# Allegro board buddy_lay_rev1.brd (continued)
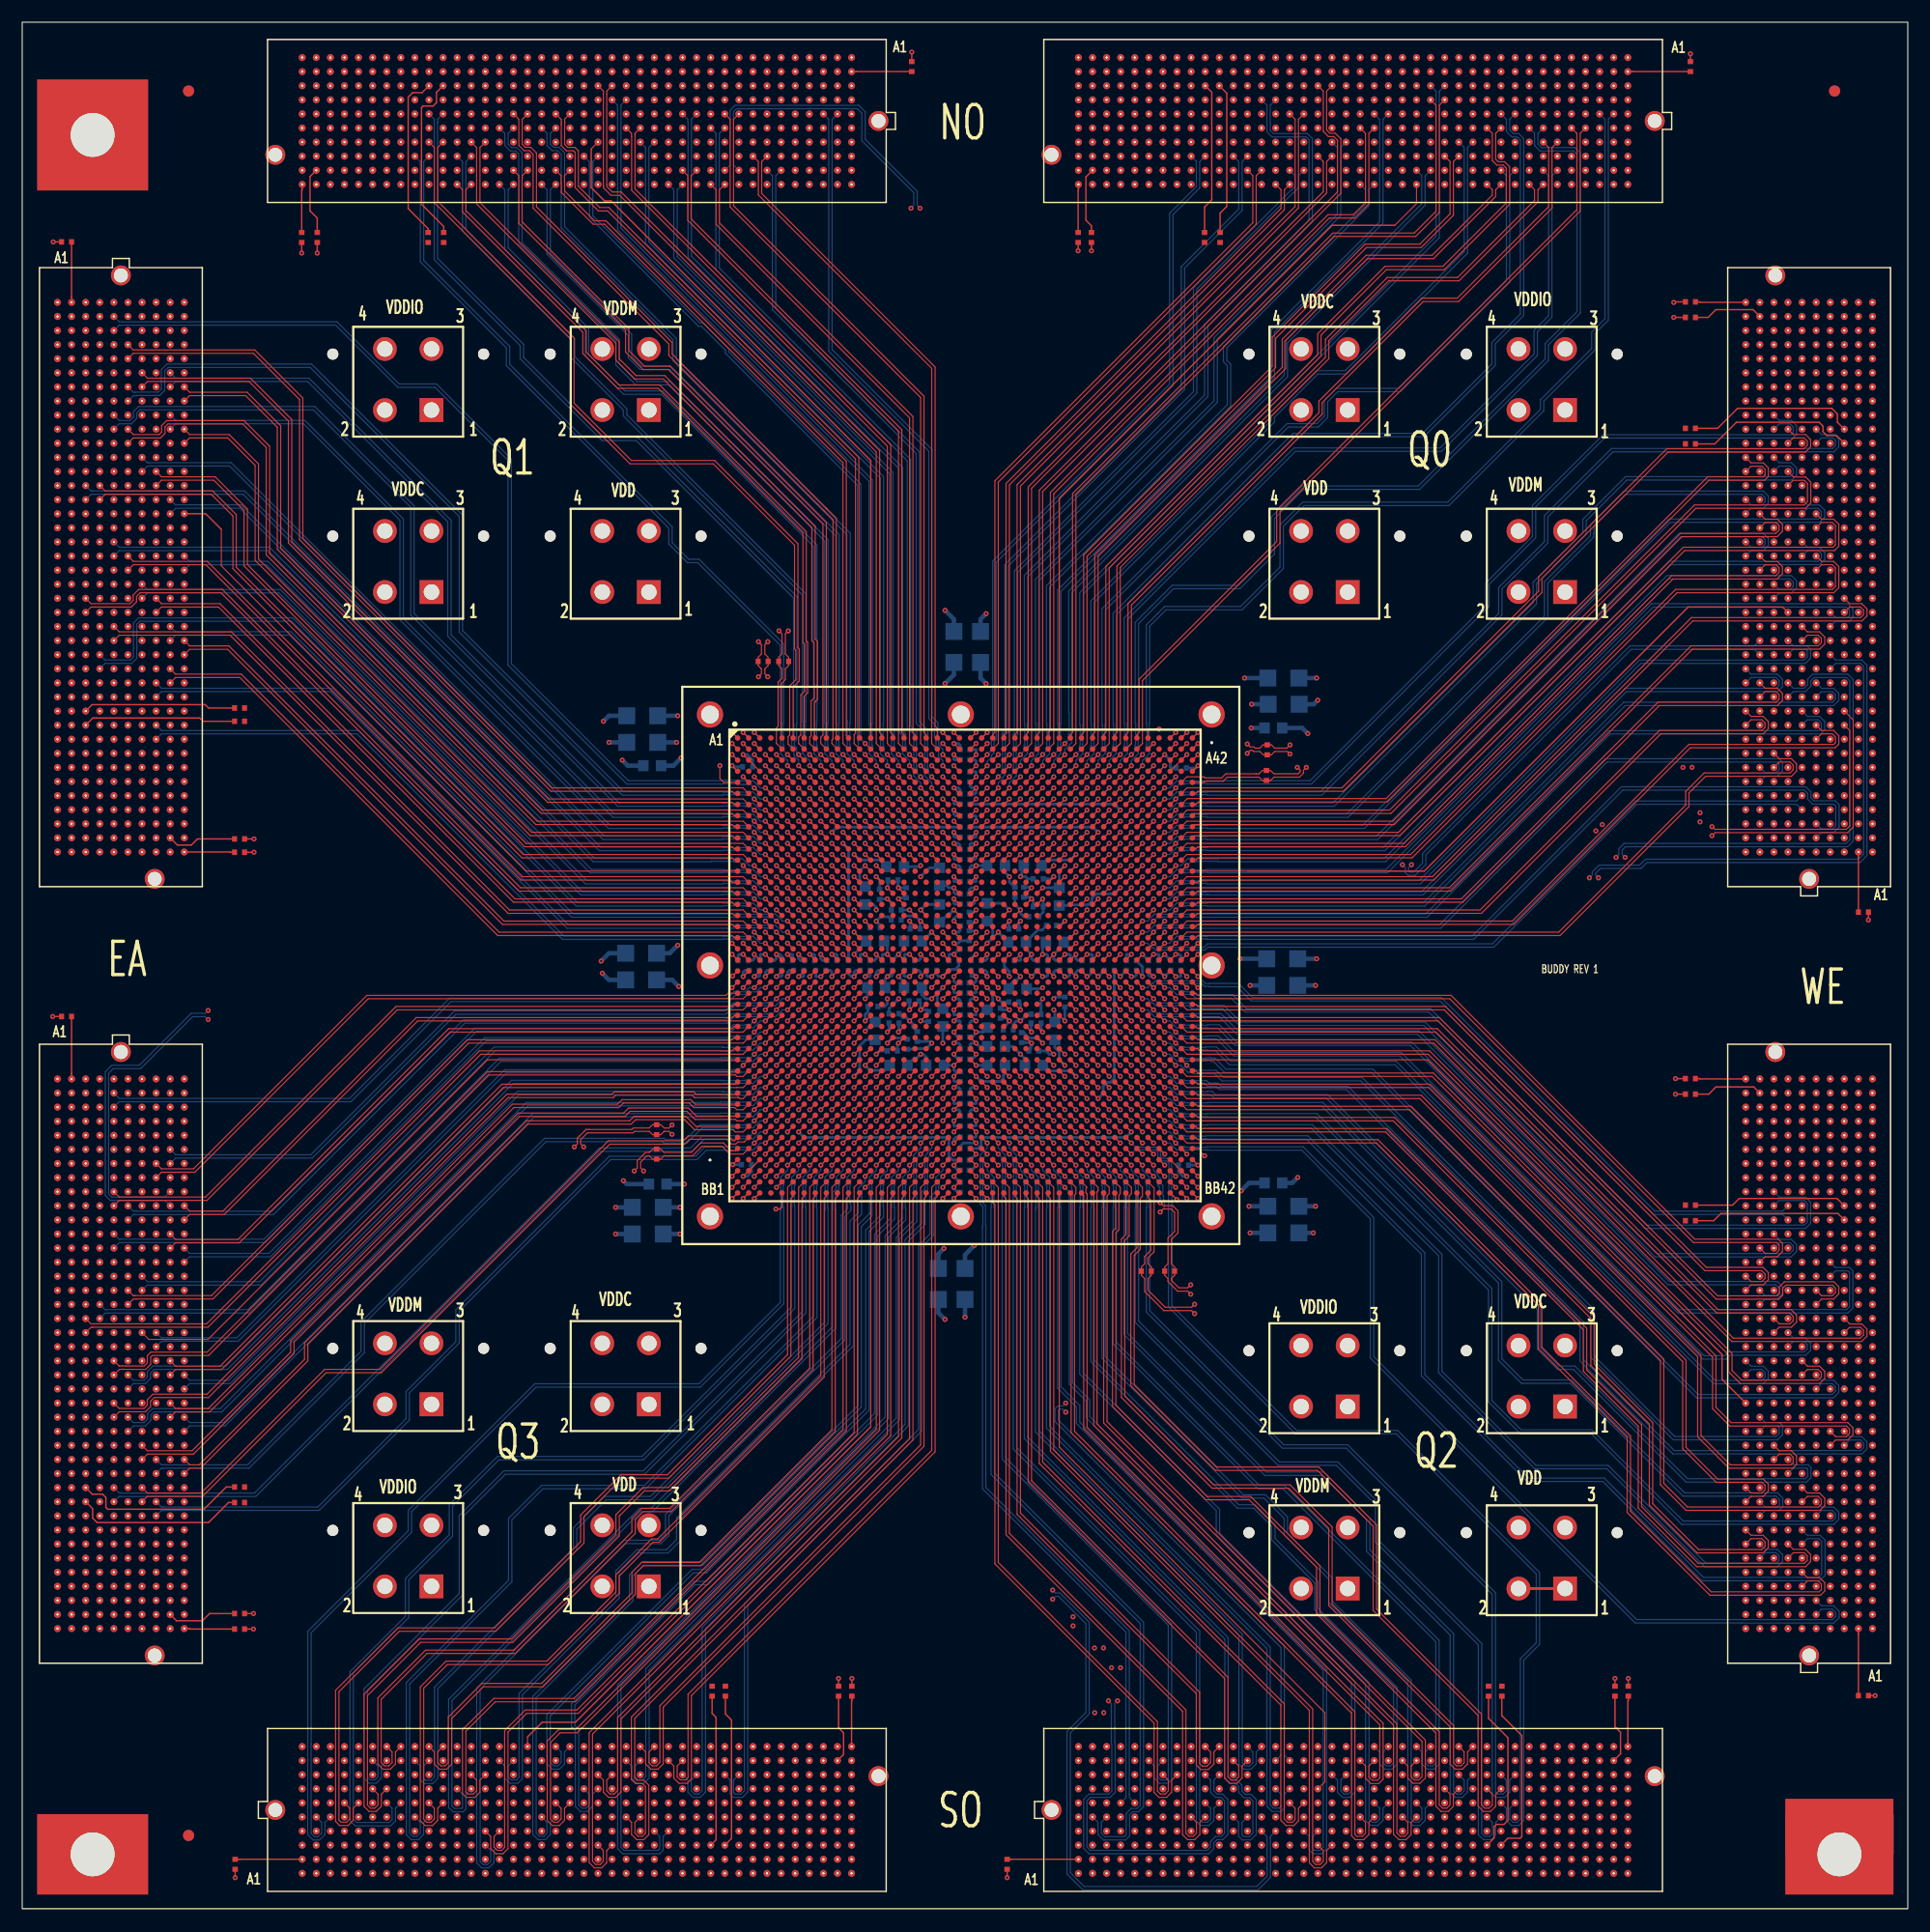
[diagram p0: board, top side]
## Routing (per net, layer and track width the routed paths; a pad name or vN(x,y) marks a point on that pad's centre or on a via; arc(x,y) is an arc through that point) (continued)
EA_3P3V: length 16.9
  TOP w0.127: R102.2 v1(2.8,150.2) ; R104.2 v1(2.75,80.4)
  PWR_L8 w0.254: 6.52,97.77 7,97.77 ; 7,97.77 7,97.29 ; 7,97.77 7,98.24 ; 7,97.77 7.47,97.77 ; 7,27.78 7.47,27.78 ; 7,27.78 7,27.31 ; 7,27.78 7,28.26 ; 7,27.78 6.52,27.78 ; 6.52,25.24 7,25.24 ; 7,25.24 7,25.72 ; 7,25.24 7.47,25.24 ; 7,25.24 7,24.77 ; 7,30.32 7,30.8 ; 7,30.32 7,29.85 ; 7,30.32 6.52,30.32 ; 7,30.32 7.47,30.32 ; J8.C39 6.2,96.5 ; J8.C39 5.25,96.5 ; J8.C39 5.72,96.97 ; J8.C39 5.72,96.02 ; 5.72,26.04 J7.C39 ; J7.C39 5.72,26.99 ; J7.C39 6.2,26.51 ; J7.C39 5.25,26.51 ; 7,95.23 7,95.7 ; 7,95.23 6.52,95.23 ; 7,95.23 7,94.75 ; 7,95.23 7.47,95.23 ; 7,100.31 7,100.78 ; 7,100.31 6.52,100.31 ; 7,100.31 7,99.83 ; 7,100.31 7.47,100.31
EA_12P0V: length 7.7
  PWR_L7 w0.254: J8.C35 6.2,101.58 ; J8.C35 5.72,102.05 ; J8.C35 5.25,101.58 ; J8.C35 5.72,101.1 ; J8.C37 6.2,99.04 ; J8.C37 5.72,99.51 ; J8.C37 5.72,98.56 ; J8.C37 5.25,99.04 ; J7.C37 5.72,29.53 ; J7.C37 6.2,29.05 ; J7.C37 5.25,29.05 ; J7.C37 5.72,28.58 ; J7.C35 6.2,31.59 ; J7.C35 5.25,31.59 ; J7.C35 5.72,32.07 ; J7.C35 5.72,31.12
EA_CTRL0: length 114.4
  TOP w0.127: U1.E4 v1(67,102)
  SIGNAL_L5 w0.081: 59.5,102.5 66.5,102.5 v1(67,102)
  SIGNAL_L5 w0.083: J8.J30 12.82,107.4 11.95,107.4 11.4,106.85 11.4,103.7 11.1,103.4 5.4,103.4 5.05,103.75 5.05,130.95 5.5,131.4 16.8,131.4 45.7,102.5 59.5,102.5
EA_CTRL1: length 98.6
  TOP w0.127: U1.E3 v1(66,102)
  SIGNAL_L5 w0.081: 59.5,101.54 65.54,101.54 v1(66,102)
  SIGNAL_L5 w0.083: J8.K31 14,107.27 14,111.9 13.5,112.4 8,112.4 7.6,112.8 7.6,128.23 8.27,128.9 17.9,128.9 45.26,101.54 59.5,101.54
EA_CTRL2: length 98.2
  TOP w0.127: U1.E2 v1(65,102)
  SIGNAL_L5 w0.081: 59.5,102 v1(65,102)
  SIGNAL_L5 w0.083: J8.E33 7.53,104.85 6.7,104.85 6.35,105.2 6.35,129.9 6.6,130.15 17.39,130.15 19.18,128.37 19.18,128.32 45.5,102 59.5,102
EA_CTRL3: length 110.3
  TOP w0.102: v1(62.9,103) 62.9,101.85 63.25,101.5 U1.E1
  SIGNAL_L5 w0.081: 59.5,103 v1(62.9,103)
  SIGNAL_L5 w0.083: 59.5,103 45.86,103 16.16,132.7 4.25,132.7 3.8,132.25 3.8,102.65 4.3,102.15 8.84,102.15 9.54,102.85
EA_HS_C2M_N0: length 176.2
  TOP w0.102: U1.AV1 64.5,68.5 64.31,68.3 63.93,68.3 63.23,69 61.17,69 60.32,68.15 57.87,68.15 57.57,68.45 R95.1 56.83,68.45 56.53,68.15 56.2,68.15 55.45,67.4 55.45,66.75 v1(55.18,66.48)
  SIGNAL_L10 w0.081: v1(55.18,66.48) 55.44,66.22 55.44,65.74 53.83,64.13 37.33,64.13 17.04,43.84 2.96,43.84 2.25,44.55 2.25,142 2.94,142.69 5.26,142.69 5.72,142.22
EA_HS_C2M_P0: length 178.4
  TOP w0.102: v1(56.02,66.48) 55.75,66.75 55.75,67.28 56.33,67.85 56.53,67.85 56.83,67.55 R95.2 57.57,67.55 57.87,67.85 60.45,67.85 61.3,68.7 63.1,68.7 63.8,68 65,68 U1.AV2
  SIGNAL_L10 w0.081: 5.72,143.49 5.26,143.02 2.8,143.02 1.92,142.14 1.92,44.41 2.83,43.51 17.17,43.51 37.47,63.8 53.97,63.8 55.77,65.6 55.77,66.22 v1(56.02,66.48)
EA_HS_M2C_N0: length 172.4
  TOP w0.102: v1(50.62,68.65) 50.35,68.92 50.35,69.31 50.96,69.91 55.08,69.91 55.21,70.05 56.53,70.05 56.83,69.75 R96.1 57.57,69.75 57.87,70.05 57.89,70.05 58.32,70.05 v1(58.58,69.78)
  TOP w0.127: U1.AV3 v1(66,68)
  SIGNAL_L10 w0.081: v1(50.62,68.65) 50.37,68.9 50.37,69.63 49.65,70.35 41.58,70.35 16.32,45.08 4.29,45.08 4,45.37 4,137.45 4.16,137.61 5.26,137.61 5.72,137.14
  SIGNAL_L12 w0.081: v1(58.58,69.78) 58.84,70.03 61.63,70.03 62.33,69.33 64.64,69.33 64.68,69.37 66.15,69.37 66.37,69.15 66.37,68.78 66.33,68.74 66.33,68.33 v1(66,68)
EA_HS_M2C_P0: length 173.8
  TOP w0.102: v1(58.58,70.62) 58.32,70.35 58.01,70.35 57.87,70.35 57.57,70.65 R96.2 56.83,70.65 56.53,70.35 55.09,70.35 54.95,70.22 51.09,70.22 50.84,70.22 50.23,69.61 50.05,69.43 50.05,68.92 v1(49.78,68.65)
  TOP w0.127: U1.AV4 v1(67,68)
  SIGNAL_L10 w0.081: v1(49.78,68.65) 50.04,68.9 50.04,69.5 49.51,70.02 41.72,70.02 16.45,44.75 4.15,44.75 3.67,45.24 3.67,137.58 4.02,137.94 5.26,137.94 5.72,138.41
  SIGNAL_L12 w0.081: v1(58.58,70.62) 58.84,70.36 61.77,70.36 62.47,69.66 64.64,69.66 64.68,69.63 66.26,69.63 66.63,69.26 66.63,68.74 66.67,68.71 66.67,68.33 v1(67,68)
EA_N0: length 86.8
  TOP w0.127: U1.F3 v1(66,101)
  BOTTOM w0.102: 8.27,142.22 8.75,142.7 8.89,142.7 8.89,142.7 28.26,142.7 33.86,137.1 37.22,137.1 43.8,130.51 43.8,112.06 54.51,101.35 63.13,101.35 63.17,101.38 64.65,101.38 64.72,101.31 65.03,101.31 65.2,101.31 65.2,101.31 65.45,101.31 65.46,101.32 65.68,101.32 v1(66,101)
EA_N1: length 79
  TOP w0.102: J8.F5 10.02,140.16 20.84,140.16 25,136 25,123.37 47.67,100.7 64,100.7 64.2,100.5 U1.F1
EA_N2: length 78.9
  TOP w0.127: U1.G5 v1(68,100)
  SIGNAL_L3 w0.081: v1(68,100) 67.66,100.34 67.22,100.34 67.19,100.37 60.58,100.37 60.54,100.34 60.29,100.34 38.42,122.21 38.42,126.76 27.58,137.6 8.86,137.6 8.85,137.61 8.73,137.61 8.27,137.14
EA_N3: length 81.7
  TOP w0.127: U1.G3 v1(66,100)
  BOTTOM w0.102: J8.F8 10.02,136.35 10.29,136.35 10.3,136.36 12.4,136.36 12.85,136.82 12.85,138.57 13.17,138.89 25.96,138.89 39.4,125.45 39.4,115.05 54.1,100.35 63.17,100.35 63.2,100.38 65.16,100.38 65.22,100.32 65.68,100.32 v1(66,100)
EA_N4: length 76.1
  TOP w0.102: 10.8,137.14 11.29,137.62 20.45,137.62 24,134.07 24,123.07 47.37,99.7 64,99.7 64.2,99.5 U1.G1
EA_N5: length 78.3
  TOP w0.127: U1.H5 v1(68,99)
  SIGNAL_L3 w0.081: v1(68,99) 67.66,99.34 67.22,99.34 67.19,99.37 60.65,99.37 60.62,99.34 53.4,99.34 34.91,117.82 34.91,128 26.57,136.34 12.54,136.34 J8.H8
EA_N6: length 75.6
  TOP w0.127: U1.H3 v1(66,99)
  BOTTOM w0.102: v1(66,99) 65.68,99.32 65.22,99.32 65.16,99.38 63.2,99.38 63.17,99.35 53.68,99.35 38.37,114.67 38.37,124.98 25.73,137.62 13.97,137.62 13.97,137.62 13.83,137.62 13.35,137.14
EA_N7: length 72.2
  TOP w0.102: U1.H1 64.2,98.5 64,98.7 46.8,98.7 23,122.5 23,133.5 20.15,136.35 15.1,136.35 J8.K8
EA_N8: length 86.5
  TOP w0.127: U1.J7 v1(70,98)
  SIGNAL_L3 w0.081: 5.72,132.06 6.19,132.53 8.59,132.53 9.08,133.01 9.08,134.79 9.35,135.05 20.78,135.05 30.42,125.41 30.42,122.36 31.51,121.27 32.86,121.27 33.87,120.26 33.87,119.2 33.92,119.15 33.92,116.72 52.3,98.34 62.62,98.34 62.65,98.37 69.19,98.37 69.22,98.34 69.66,98.34 v1(70,98)
EA_N9: length 89.3
  TOP w0.127: U1.J5 v1(68,98)
  SIGNAL_L12 w0.081: J8.D9 7.46,135.07 7.72,135.07 7.72,135.07 30.13,135.07 32.48,132.72 35.41,132.72 44.52,123.61 44.52,103.08 49.27,98.33 62.61,98.33 62.65,98.37 67.15,98.37 67.16,98.37 67.2,98.37 67.23,98.33 67.67,98.33 v1(68,98)
EA_N10: length 80.5
  TOP w0.127: U1.J3 v1(66,98)
  BOTTOM w0.102: J8.E10 8.75,133.81 9.84,133.81 10.34,134.3 10.34,134.79 10.61,135.06 26.25,135.06 35.03,126.29 35.03,116.59 53.27,98.35 63.17,98.35 63.2,98.38 65.16,98.38 65.22,98.32 65.68,98.32 v1(66,98)
EA_N11: length 76.7
  TOP w0.102: J8.F11 10.02,132.54 12.47,132.54 12.88,132.95 12.88,133.52 13.15,133.79 19.87,133.79 22,131.67 22,122 46.3,97.7 64,97.7 64.2,97.5 U1.J1
EA_N12: length 77.3
  TOP w0.127: U1.K7 v1(70,97)
  SIGNAL_L3 w0.081: v1(70,97) 69.66,97.34 69.22,97.34 69.19,97.37 62.65,97.37 62.62,97.34 51,97.34 25.78,122.55 25.78,125.93 17.92,133.8 11.27,133.8 J8.G10
EA_N13: length 82.7
  TOP w0.127: U1.K5 v1(68,97)
  SIGNAL_L12 w0.081: J8.H11 12.54,132.53 30.81,132.53 39.19,124.15 39.19,105.18 47.03,97.33 62.66,97.33 62.7,97.37 67.15,97.37 67.16,97.37 67.2,97.37 67.23,97.33 67.67,97.33 v1(68,97)
EA_N14: length 74.1
  TOP w0.127: U1.K3 v1(66,97)
  BOTTOM w0.102: v1(66,97) 65.68,97.32 65.22,97.32 65.16,97.38 63.2,97.38 63.17,97.35 52.86,97.35 34.06,116.15 34.06,125.11 25.36,133.81 14.04,133.81 14.03,133.81 13.83,133.81 J8.J10
EA_N15: length 70
  TOP w0.102: J8.K11 15.1,132.54 18.53,132.54 21,130.07 21,121.5 45.8,96.7 64,96.7 64.2,96.5 U1.K1
EA_N16: length 80.3
  TOP w0.127: U1.L7 v1(70,96)
  SIGNAL_L3 w0.081: J8.E13 8.73,129.99 11.12,129.99 11.62,130.48 11.62,130.98 11.91,131.27 18.35,131.27 24.61,125.01 24.61,121.27 49.54,96.34 62.62,96.34 62.65,96.37 69.19,96.37 69.22,96.34 69.66,96.34 v1(70,96)
EA_N17: length 84.5
  TOP w0.127: U1.L5 v1(68,96)
  SIGNAL_L12 w0.081: J8.F14 10,128.72 12.5,128.72 12.89,129.1 12.89,129.71 13.16,129.97 14.42,129.97 14.42,129.98 14.81,129.98 14.81,129.97 30.4,129.97 34.43,125.94 34.43,117.82 38.39,113.86 38.39,104.71 46.77,96.33 62.66,96.33 62.7,96.37 67.15,96.37 67.16,96.37 67.2,96.37 67.23,96.33 67.67,96.33 v1(68,96)
EA_N18: length 70.2
  TOP w0.127: U1.L3 v1(66,96)
  BOTTOM w0.102: v1(66,96) 65.68,96.32 65.22,96.32 65.16,96.38 63.13,96.38 63.1,96.35 52.36,96.35 18.71,130 11.5,130 11.49,130 11.29,130 J8.G13
EA_N19: length 69.3
  TOP w0.102: U1.L1 64.2,95.5 64,95.7 45.3,95.7 20,121 20,126 17.27,128.73 12.56,128.73 J8.H14
EA_N20: length 74.4
  TOP w0.127: U1.M7 v1(70,95)
  SIGNAL_L3 w0.081: v1(70,95) 69.66,95.34 69.22,95.34 69.19,95.37 62.65,95.37 62.62,95.34 48.67,95.34 23.12,120.88 23.12,124.77 17.91,129.99 13.81,129.99 J8.J13
EA_N21: length 76
  TOP w0.127: U1.M5 v1(68,95)
  SIGNAL_L12 w0.081: J8.K14 15.08,128.72 25.88,128.72 30.72,123.88 30.72,118.44 32.06,117.1 32.4,117.1 37.6,111.9 37.6,104.18 46.45,95.33 62.66,95.33 62.7,95.37 67.15,95.37 67.16,95.37 67.2,95.37 67.23,95.33 67.67,95.33 v1(68,95)
EA_N22: length 74.7
  TOP w0.127: U1.M3 v1(66,95)
  BOTTOM w0.102: 5.72,126.98 6.21,127.46 6.48,127.46 6.48,127.46 19.91,127.46 52.03,95.35 63.17,95.35 63.2,95.38 65.16,95.38 65.22,95.32 65.68,95.32 v1(66,95)
EA_N23: length 74.1
  TOP w0.102: J8.D15 7.48,127.46 17.04,127.46 19,125.5 19,120.75 45.05,94.7 64,94.7 64.2,94.5 U1.M1
EA_N24: length 80
  TOP w0.127: U1.N11 v1(74,94)
  SIGNAL_L5 w0.081: J8.E16 8.73,126.18 8.99,126.18 9,126.19 19.26,126.19 51.12,94.33 64.67,94.33 64.71,94.37 73.15,94.37 73.2,94.32 73.68,94.32 v1(74,94)
EA_N25: length 77.8
  TOP w0.127: U1.N8 v1(71,94)
  SIGNAL_L10 w0.081: J8.F17 10.02,124.92 17.52,124.92 23.2,119.23 23.2,117 44.87,95.33 64.4,95.33 64.43,95.37 71.15,95.37 71.37,95.15 71.37,94.74 71.48,94.63 71.48,94.51 71.42,94.45 71,94.03 v1(71,94)
EA_N26: length 72.5
  TOP w0.127: U1.N6 v1(69,94)
  SIGNAL_L3 w0.081: v1(69,94) 68.66,94.34 68.22,94.34 68.19,94.37 61.61,94.37 61.57,94.34 47.51,94.34 15.66,126.19 11.29,126.19 J8.G16
EA_N27: length 73.2
  TOP w0.127: U1.N4 v1(67,94)
  SIGNAL_L12 w0.081: J8.H17 12.53,124.89 23.14,124.89 36.81,111.22 36.81,103.53 46,94.33 61.61,94.33 61.65,94.37 66.15,94.37 66.16,94.37 66.2,94.37 66.23,94.33 66.67,94.33 v1(67,94)
EA_N28: length 65.9
  TOP w0.102: U1.N2 v1(65,94)
  BOTTOM w0.102: J8.J16 13.84,126.2 19.62,126.2 51.47,94.35 62.1,94.35 62.13,94.38 64.16,94.38 64.22,94.32 64.68,94.32 v1(65,94)
EA_N29: length 74.8
  TOP w0.127: U1.P12 v1(75,93)
  SIGNAL_L10 w0.081: 59.5,93.5 74.02,93.5 74.52,93 v1(75,93)
  SIGNAL_L10 w0.083: 59.5,93.5 44.3,93.5 21.1,116.7 21.1,117.95 J8.K17
EA_N30: length 80.4
  TOP w0.127: U1.P10 v1(73,93)
  SIGNAL_L3 w0.081: 5.72,121.9 6.19,122.37 6.45,122.37 6.46,122.38 17.57,122.38 46.61,93.34 64.42,93.34 64.46,93.37 72.19,93.37 72.22,93.34 72.66,93.34 v1(73,93)
EA_N31: length 79.2
  TOP w0.127: U1.P5 v1(68,93)
  SIGNAL_L12 w0.081: J8.D18 7.46,123.64 23.14,123.64 35.89,110.88 35.89,103.04 45.6,93.33 62.66,93.33 62.7,93.37 67.15,93.37 67.16,93.37 67.2,93.37 67.23,93.33 67.67,93.33 v1(68,93)
EA_N32: length 70.8
  TOP w0.127: U1.P3 v1(66,93)
  BOTTOM w0.102: J8.E19 8.75,122.38 22.17,122.38 51.2,93.35 63.17,93.35 63.2,93.38 65.16,93.38 65.22,93.32 65.68,93.32 v1(66,93)
EA_N33: length 67
  TOP w0.102: U1.P1 64,92.5 63.8,92.7 44.97,92.7 16.56,121.11 10.02,121.11 J8.F20
EA_N34: length 76.7
  TOP w0.127: U1.R11 v1(74,92)
  SIGNAL_L5 w0.081: v1(74,92) 73.68,92.32 73.2,92.32 73.15,92.37 64.67,92.37 64.63,92.33 45.05,92.33 15.01,122.38 11.29,122.38 J8.G19
EA_N35: length 72.9
  TOP w0.127: U1.R9 v1(72,92)
  SIGNAL_L3 w0.081: J8.H20 12.54,121.1 17.22,121.1 45.98,92.34 64.62,92.34 64.65,92.37 71.19,92.37 71.22,92.34 71.66,92.34 v1(72,92)
EA_N36: length 72.3
  TOP w0.127: U1.R5 v1(68,92)
  SIGNAL_L12 w0.081: v1(68,92) 67.67,92.33 67.23,92.33 67.2,92.37 67.16,92.37 67.15,92.37 62.7,92.37 62.66,92.33 45.42,92.33 34.89,102.86 34.89,109.9 22.43,122.37 13.81,122.37 J8.J19
EA_N37: length 64.4
  TOP w0.127: U1.R3 v1(66,92)
  BOTTOM w0.102: J8.K20 15.1,121.11 15.37,121.11 15.37,121.11 22.02,121.11 50.78,92.35 63.17,92.35 63.2,92.38 65.16,92.38 65.22,92.32 65.68,92.32 v1(66,92)
EA_N38: length 71
  TOP w0.102: U1.R1 64.2,91.5 64,91.7 44.8,91.7 17.92,118.58 10.64,118.58 10.31,118.25 10.31,117.77 9.84,117.3 6.21,117.3 5.72,116.82
EA_N39: length 80.6
  TOP w0.127: U1.T11 v1(74,91)
  SIGNAL_L10 w0.081: J8.D21 7.46,119.83 16.17,119.83 17.32,118.67 17.32,117.38 43.36,91.34 64.6,91.34 64.63,91.37 73.33,91.37 73.36,91.35 73.65,91.35 v1(74,91)
EA_N40: length 77.4
  TOP w0.127: U1.T9 v1(72,91)
  SIGNAL_L3 w0.081: v1(72,91) 71.66,91.34 71.22,91.34 71.19,91.37 64.65,91.37 64.62,91.34 44.79,91.34 16.32,119.81 10.62,119.81 10.32,119.52 10.32,119.03 9.86,118.57 8.75,118.57 J8.E22
EA_N41: length 76.3
  TOP w0.127: U1.T7 v1(70,91)
  SIGNAL_L12 w0.081: v1(70,91) 69.67,91.33 69.23,91.33 69.2,91.37 69.16,91.37 69.15,91.37 64.7,91.37 64.66,91.33 44.96,91.33 33.86,102.43 33.86,109.22 25.8,117.29 10,117.29 J8.F23
EA_N42: length 67.6
  TOP w0.127: U1.T3 v1(66,91)
  BOTTOM w0.102: J8.G22 11.29,118.57 23.15,118.57 50.37,91.35 62.93,91.35 62.96,91.38 63.11,91.38 63.14,91.35 63.17,91.35 63.2,91.38 65.16,91.38 65.22,91.32 65.68,91.32 v1(66,91)
EA_N43: length 63.7
  TOP w0.102: J8.H23 12.56,117.3 17.7,117.3 44.3,90.7 64,90.7 64.2,90.5 U1.T1
EA_N44: length 73.4
  TOP w0.127: U1.U11 v1(74,90)
  SIGNAL_L5 w0.081: v1(74,90) 73.68,90.32 73.2,90.32 73.15,90.37 64.67,90.37 64.63,90.33 44,90.33 15.78,118.56 13.81,118.56 J8.J22
EA_N45: length 69.6
  TOP w0.127: U1.U9 v1(72,90)
  SIGNAL_L3 w0.081: J8.K23 15.08,117.29 16.14,117.29 43.09,90.34 64.62,90.34 64.65,90.37 71.19,90.37 71.22,90.34 71.66,90.34 v1(72,90)
EA_N46: length 81.6
  TOP w0.127: U1.U7 v1(70,90)
  SIGNAL_L12 w0.081: v1(70,90) 69.67,90.33 69.23,90.33 69.2,90.37 69.16,90.37 69.15,90.37 64.7,90.37 64.66,90.33 44.07,90.33 32.76,101.64 32.76,108.55 26.58,114.73 10.62,114.73 10.32,114.44 10.32,112.68 9.86,112.22 6.21,112.22 5.72,111.74
EA_N47: length 74.1
  TOP w0.127: U1.U3 v1(66,90)
  BOTTOM w0.102: J8.D27 7.48,112.22 9.88,112.22 10.34,112.68 10.34,115.74 10.61,116.01 24.29,116.01 49.96,90.35 63.17,90.35 63.2,90.38 65.16,90.38 65.22,90.32 65.68,90.32 v1(66,90)
EA_N48: length 66.9
  TOP w0.102: J8.E25 8.75,114.76 18.74,114.76 43.8,89.7 64,89.7 64.2,89.5 U1.U1
EA_N49: length 92.2
  TOP w0.127: U1.V11 v1(74,89)
  SIGNAL_L3 w0.081: v1(74,89) 73.61,89 73.24,88.63 73.24,88.28 73.37,88.15 73.37,87.74 73.26,87.63 63.26,87.63 63.23,87.66 14.42,87.66 9.06,93.03 9.06,112.06 8.58,112.53 8.09,112.53 7.81,112.82 7.81,113.2 8.08,113.46 9.08,113.46 J8.F26
EA_N50: length 72.8
  TOP w0.127: U1.V9 v1(72,89)
  SIGNAL_L3 w0.081: v1(72,89) 71.67,89.33 71.21,89.33 71.18,89.36 71.16,89.36 71.15,89.37 70.85,89.37 70.84,89.36 70.16,89.36 70.15,89.37 69.85,89.37 69.84,89.36 69.16,89.36 69.15,89.37 68.85,89.37 68.84,89.36 68.16,89.36 68.15,89.37 67.85,89.37 67.84,89.36 67.16,89.36 67.15,89.37 66.85,89.37 66.84,89.36 66.16,89.36 66.15,89.37 65.85,89.37 65.84,89.36 65.16,89.36 65.15,89.37 64.62,89.37 64.57,89.32 41.71,89.32 16.28,114.75 11.27,114.75 J8.G25
EA_N51: length 73.1
  TOP w0.127: U1.V7 v1(70,89)
  SIGNAL_L12 w0.081: v1(70,89) 69.67,89.33 69.23,89.33 69.2,89.37 69.16,89.37 69.15,89.37 64.7,89.37 64.66,89.33 43.41,89.33 31.55,101.19 31.55,108.24 26.32,113.48 12.54,113.48 J8.H26
EA_N52: length 66.3
  TOP w0.127: U1.V5 v1(68,89)
  BOTTOM w0.102: J8.J25 13.84,114.77 24.12,114.77 49.54,89.35 64.48,89.35 64.51,89.38 67.16,89.38 67.22,89.32 67.68,89.32 v1(68,89)
EA_N53: length 60.4
  TOP w0.102: J8.K26 15.1,113.49 18.51,113.49 43.3,88.7 64,88.7 64.2,88.5 U1.V1
EA_N54: length 93.9
  TOP w0.127: U1.W11 v1(74,88)
  SIGNAL_L3 w0.081: J8.E28 7.78,110.95 6.83,110.95 6.54,110.66 6.54,91.21 11.5,86.25 60.5,86.25 61.14,86.89 63.12,86.89 63.16,86.85 63.45,86.85 63.67,86.63 74.15,86.63 74.37,86.85 74.37,87.42 74.33,87.46 74.33,87.67 v1(74,88)
EA_N55: length 72.4
  TOP w0.127: U1.W9 v1(72,88)
  SIGNAL_L3 w0.081: J8.F29 10,109.67 19.55,109.67 40.89,88.32 64.57,88.32 64.62,88.37 65.15,88.37 65.16,88.36 65.84,88.36 65.85,88.37 66.15,88.37 66.16,88.36 66.84,88.36 66.85,88.37 67.15,88.37 67.16,88.36 67.84,88.36 67.85,88.37 68.15,88.37 68.16,88.36 68.84,88.36 68.85,88.37 69.15,88.37 69.16,88.36 69.84,88.36 69.85,88.37 70.15,88.37 70.16,88.36 70.84,88.36 70.85,88.37 71.15,88.37 71.16,88.36 71.18,88.36 71.21,88.33 71.67,88.33 v1(72,88)
EA_N56: length 76.5
  TOP w0.127: U1.W7 v1(70,88)
  SIGNAL_L12 w0.081: v1(70,88) 69.67,88.33 69.23,88.33 69.2,88.37 69.16,88.37 69.15,88.37 64.7,88.37 64.66,88.33 40.39,88.33 30.36,98.36 30.36,107.82 25.97,112.22 13.18,112.22 12.86,111.9 12.86,111.41 12.4,110.95 11.29,110.95 J8.G28
EA_N57: length 65.8
  TOP w0.127: U1.W5 v1(68,88)
  BOTTOM w0.102: J8.H29 12.56,109.68 27.8,109.68 49.13,88.35 64.48,88.35 64.51,88.38 67.16,88.38 67.22,88.32 67.68,88.32 v1(68,88)
EA_N58: length 61.1
  TOP w0.102: U1.W1 64.2,87.5 64,87.7 42.87,87.7 19.62,110.95 13.83,110.95 J8.J28
EA_N59: length 76.9
  TOP w0.127: U1.Y11 v1(74,87)
  SIGNAL_L12 w0.081: J8.K29 15.08,109.67 23.24,109.67 27.67,105.23 27.67,95.57 37.17,86.07 59.64,86.07 60.19,86.62 63.13,86.62 63.42,86.33 63.67,86.33 63.71,86.37 71.3,86.37 71.63,86.7 71.63,87.15 71.85,87.37 73.32,87.37 73.34,87.36 73.64,87.36 v1(74,87)
EA_N60: length 75.6
  TOP w0.127: U1.Y9 v1(72,87)
  SIGNAL_L10 w0.081: J8.E31 8.73,107.13 9.85,107.13 10.34,107.62 10.34,108.12 10.63,108.4 24.5,108.4 44.57,88.33 64.42,88.33 64.46,88.37 72.15,88.37 72.37,88.15 72.37,87.73 72.33,87.69 72.33,87.33 v1(72,87)
EA_N61: length 82.1
  TOP w0.127: U1.Y7 v1(70,87)
  SIGNAL_L12 w0.081: v1(70,87) 69.67,87.33 69.23,87.33 69.2,87.37 69.16,87.37 69.15,87.37 63.76,87.37 63.72,87.33 39,87.33 29.09,97.24 29.09,107.52 25.54,111.07 15.2,111.07 15.05,110.92 14.43,110.92 14.16,110.66 14.16,106.24 13.77,105.86 10,105.86 9.54,105.39
EA_N62: length 66.5
  TOP w0.127: U1.Y5 v1(68,87)
  SIGNAL_L10 w0.081: J8.G31 11.27,107.13 11.39,107.13 11.4,107.12 24.06,107.12 43.85,87.34 63.67,87.34 63.71,87.37 67.33,87.37 67.36,87.35 67.65,87.35 v1(68,87)
EA_N63: length 62.7
  TOP w0.127: U1.Y3 v1(66,87)
  BOTTOM w0.102: v1(66,87) 65.68,87.32 65.22,87.32 65.16,87.38 63.2,87.38 63.17,87.35 48.71,87.35 30.19,105.87 12.56,105.87 J8.H32
EA_N64: length 63.9
  TOP w0.127: U1.AC4 v1(67,83)
  BOTTOM w0.102: v1(67,83) 66.54,83 66.16,82.62 65.49,82.62 65.26,82.38 64.74,82.38 64.71,82.35 64.33,82.35 63.72,81.74 38.66,81.74 29.64,72.72 8.75,72.72 8.27,72.23
EA_N65: length 66.2
  TOP w0.127: U1.AC6 v1(69,83)
  SIGNAL_L10 w0.081: J7.F5 10,70.16 27.53,70.16 38.7,81.33 64.42,81.33 64.46,81.37 68.26,81.37 68.63,81.74 68.63,82.37 68.67,82.41 68.67,82.67 v1(69,83)
EA_N66: length 71.8
  TOP w0.127: U1.AC8 v1(71,83)
  SIGNAL_L12 w0.081: v1(71,83) 70.55,83 70.18,82.63 70.1,82.63 69.81,82.34 69.23,82.34 69.2,82.37 64.65,82.37 64.61,82.34 64.4,82.34 64.2,82.13 38.32,82.13 23.8,67.61 14.43,67.61 14.16,67.34 14.16,66.85 13.65,66.34 10.34,66.34 9.99,66.69 9.99,67.34 9.72,67.61 8.72,67.61 8.27,67.15
EA_N67: length 72.4
  TOP w0.127: U1.AC10 v1(73,83)
  SIGNAL_L10 w0.081: v1(73,83) 72.67,82.67 72.67,82.28 72.63,82.25 72.63,80.74 72.26,80.37 64.71,80.37 64.67,80.34 40.25,80.34 26.27,66.35 10,66.35 J7.F8
EA_N68: length 73.4
  TOP w0.127: U1.AC12 v1(75,83)
  SIGNAL_L12 w0.081: v1(75,83) 74.52,83 74.15,82.63 74.1,82.63 73.78,82.31 73.34,82.31 73.27,82.37 71.74,82.37 71.37,82.74 71.37,83.2 71.2,83.37 63.69,83.37 63.5,83.19 63.5,83.14 63.32,82.96 61.08,82.96 60.53,83.5 37.65,83.5 23.03,68.88 13.16,68.88 12.86,68.59 12.86,68.1 12.39,67.62 11.27,67.62 10.8,67.15
EA_N69: length 60.3
  TOP w0.102: U1.AD2 65,82 31.2,82 15.57,66.37 12.56,66.37 J7.H8
EA_N70: length 62.5
  TOP w0.127: U1.AD6 v1(69,82)
  BOTTOM w0.102: 13.35,67.15 13.83,67.64 26.14,67.64 39.1,80.6 63.43,80.6 64.21,81.38 67.44,81.38 67.46,81.37 67.91,81.37 68.54,82 v1(69,82)
EA_N71: length 63.8
  TOP w0.127: U1.AD8 v1(71,82)
  SIGNAL_L12 w0.081: J7.K8 15.08,66.35 25.54,66.35 40.53,81.34 64.66,81.34 64.7,81.37 69.2,81.37 69.23,81.34 69.81,81.34 70.1,81.63 70.18,81.63 70.55,82 v1(71,82)
EA_N72: length 76.6
  TOP w0.127: U1.AD10 v1(73,82)
  SIGNAL_L3 w0.081: 5.72,62.07 6.21,62.56 9.86,62.56 10.35,63.04 10.35,63.53 10.62,63.8 15.47,63.8 33.01,81.35 64.54,81.35 64.57,81.37 65.26,81.37 65.27,81.38 65.73,81.38 65.74,81.37 66.26,81.37 66.27,81.38 66.73,81.38 66.74,81.37 67.26,81.37 67.27,81.38 67.73,81.38 67.74,81.37 68.26,81.37 68.27,81.38 68.73,81.38 68.74,81.37 69.26,81.37 69.27,81.38 69.73,81.38 69.74,81.37 70.26,81.37 70.27,81.38 70.73,81.38 70.74,81.37 71.19,81.37 71.22,81.34 71.81,81.34 72.07,81.6 72.12,81.6 72.15,81.63 72.15,81.63 72.37,81.85 72.37,81.85 72.52,82 v1(73,82)
EA_N73: length 90.7
  TOP w0.127: U1.AD12 v1(75,82)
  SIGNAL_L3 w0.081: J7.D9 6.51,65.1 5.4,65.1 4.94,65.56 4.94,79.89 8.85,83.8 60.9,83.8 61.3,83.4 62.4,83.4 62.66,83.66 63.35,83.66 63.38,83.63 74.26,83.63 74.63,83.26 74.63,82.55 74.67,82.51 74.67,82.33 v1(75,82)
EA_N74: length 64.8
  TOP w0.102: J7.E10 8.75,63.83 16.66,63.83 33.83,81 65,81 U1.AE2
EA_N75: length 68
  TOP w0.127: U1.AE6 v1(69,81)
  BOTTOM w0.102: v1(69,81) 68.54,81 67.91,80.37 67.46,80.37 67.44,80.38 64.51,80.38 64.48,80.35 64.13,80.35 63.58,79.8 39.9,79.8 22.65,62.55 10.17,62.55 10.16,62.56 10.02,62.56 J7.F11
EA_N76: length 68.2
  TOP w0.127: U1.AE8 v1(71,81)
  SIGNAL_L12 w0.081: v1(71,81) 70.55,81 70.18,80.63 70.1,80.63 69.81,80.34 69.23,80.34 69.2,80.37 64.7,80.37 64.66,80.34 41.46,80.34 24.93,63.81 11.27,63.81 J7.G10
EA_N77: length 69.5
  TOP w0.127: U1.AE10 v1(73,81)
  SIGNAL_L3 w0.081: J7.H11 12.54,62.54 12.66,62.54 12.67,62.53 15.88,62.53 33.7,80.35 64.54,80.35 64.57,80.37 68.48,80.37 68.48,80.37 69.26,80.37 69.26,80.37 71.19,80.37 71.22,80.34 71.81,80.34 72.07,80.6 72.12,80.6 72.15,80.63 72.15,80.63 72.37,80.85 72.37,80.85 72.52,81 v1(73,81)
EA_N78: length 89.9
  TOP w0.127: U1.AE12 v1(75,81)
  SIGNAL_L3 w0.081: v1(16.76,80.94) 17.01,80.7 18.9,80.7 20.87,82.67 63.23,82.67 63.26,82.63 73.37,82.63 73.63,82.37 73.63,82.09 73.63,82.09 73.63,81.85 73.7,81.77 73.7,81.64 73.97,81.37 74.15,81.37 74.52,81 v1(75,81)
  BOTTOM w0.102: J7.J10 12.86,63.83 7.94,63.83 7.49,64.28 7.49,75.42 8.07,76 10.55,76 15.24,80.69 16.51,80.69 v1(16.76,80.94)
EA_N79: length 58.5
  TOP w0.102: U1.AF2 65,80 35.66,80 18.22,62.56 15.1,62.56 J7.K11
EA_N80: length 67.9
  TOP w0.127: U1.AF4 v1(67,80)
  BOTTOM w0.102: v1(67,80) 66.54,80 65.91,79.37 65.46,79.37 65.44,79.38 64.63,79.38 64.6,79.35 64.25,79.35 63.95,79.05 40.95,79.05 21.93,60.03 9.03,60.03 9.02,60.02 8.75,60.02 J7.E13
EA_N81: length 71.2
  TOP w0.127: U1.AF8 v1(71,80)
  SIGNAL_L12 w0.081: v1(71,80) 70.55,80 70.18,79.63 70.1,79.63 69.81,79.34 69.23,79.34 69.2,79.37 64.7,79.37 64.66,79.34 43.31,79.34 22.7,58.73 10,58.73 J7.F14
EA_N82: length 71.4
  TOP w0.127: U1.AF10 v1(73,80)
  SIGNAL_L3 w0.081: J7.G13 11.27,60 11.39,60 11.4,59.99 15.81,59.99 35.15,79.33 64.62,79.33 64.65,79.37 71.18,79.37 71.22,79.33 71.8,79.33 72.07,79.6 72.12,79.6 72.15,79.63 72.15,79.63 72.37,79.85 72.37,79.85 72.52,80 v1(73,80)
EA_N83: length 72.7
  TOP w0.127: U1.AF12 v1(75,80)
  SIGNAL_L5 w0.081: J7.H14 12.54,58.73 17.9,58.73 38.5,79.34 64.48,79.34 64.52,79.37 73.26,79.37 73.29,79.41 73.51,79.41 73.54,79.37 74.37,79.37 v1(75,80)
EA_N84: length 60.4
  TOP w0.102: U1.AG2 65,79 38.57,79 19.57,60 13.81,60 J7.J13
EA_N85: length 61.7
  TOP w0.127: U1.AG4 v1(67,79)
  BOTTOM w0.102: v1(67,79) 66.54,79 65.91,78.37 65.46,78.37 65.44,78.38 63.98,78.38 63.8,78.2 41.83,78.2 22.38,58.75 15.1,58.75 J7.K14
EA_N86: length 75.1
  TOP w0.127: U1.AG8 v1(71,79)
  SIGNAL_L12 w0.081: 5.72,56.99 6.21,57.48 23.06,57.48 43.92,78.34 64.66,78.34 64.7,78.37 69.2,78.37 69.23,78.34 69.81,78.34 70.1,78.63 70.18,78.63 70.55,79 v1(71,79)
EA_N87: length 75.9
  TOP w0.127: U1.AG10 v1(73,79)
  SIGNAL_L3 w0.081: J7.D15 7.46,57.46 7.72,57.46 7.72,57.47 16.22,57.47 37.12,78.37 64.58,78.37 71.18,78.37 71.22,78.33 71.8,78.33 72.07,78.6 72.12,78.6 72.15,78.63 72.15,78.63 72.37,78.85 72.37,78.85 72.52,79 v1(73,79)
EA_N88: length 77.1
  TOP w0.127: U1.AG12 v1(75,79)
  SIGNAL_L10 w0.081: v1(75,79) 74.37,78.37 64.66,78.37 64.62,78.33 40.1,78.33 17.95,56.18 8.86,56.18 8.85,56.19 8.73,56.19 J7.E16
EA_N89: length 65.9
  TOP w0.102: U1.AH2 65,78 40.25,78 17.2,54.95 10.3,54.95 10.29,54.94 10.02,54.94 J7.F17
EA_N90: length 66.2
  TOP w0.127: U1.AH4 v1(67,78)
  BOTTOM w0.102: J7.G16 11.28,56.2 21.27,56.2 21.53,56.2 42.68,77.35 63.01,77.35 63.04,77.31 65.26,77.31 65.33,77.38 65.44,77.38 65.46,77.37 65.91,77.37 66.54,78 v1(67,78)
EA_N91: length 67.4
  TOP w0.127: U1.AH6 v1(69,78)
  SIGNAL_L12 w0.081: v1(69,78) 68.55,78 68.18,77.63 68.1,77.63 67.81,77.34 67.23,77.34 67.2,77.37 62.7,77.37 62.66,77.34 44.53,77.34 22.11,54.92 12.66,54.92 12.66,54.92 12.54,54.92 J7.H17
EA_N92: length 69.6
  TOP w0.127: U1.AH10 v1(73,78)
  SIGNAL_L3 w0.081: J7.J16 13.81,56.19 16.76,56.19 37.9,77.33 64.47,77.33 64.5,77.37 71.18,77.37 71.22,77.33 71.8,77.33 72.07,77.6 72.12,77.6 72.15,77.63 72.15,77.63 72.37,77.85 72.37,77.85 72.52,78 v1(73,78)
EA_N93: length 70.9
  TOP w0.127: U1.AH12 v1(75,78)
  SIGNAL_L5 w0.081: J7.K17 15.08,54.92 17.99,54.92 40.4,77.34 64.48,77.34 64.52,77.37 73.26,77.37 73.29,77.41 73.51,77.41 73.54,77.37 74.37,77.37 v1(75,78)